# Altium PCB TempController.PcbDoc (part 2 of 2)
Units mil, origin at the board's own origin, x right, y up, seen from the top; angles counter-clockwise.
Board outline 2362.2 x 3937.01 mil, 2 copper layers (Top Layer, Bottom Layer); 155 components, 148 nets, 497 pads, 293 vias.
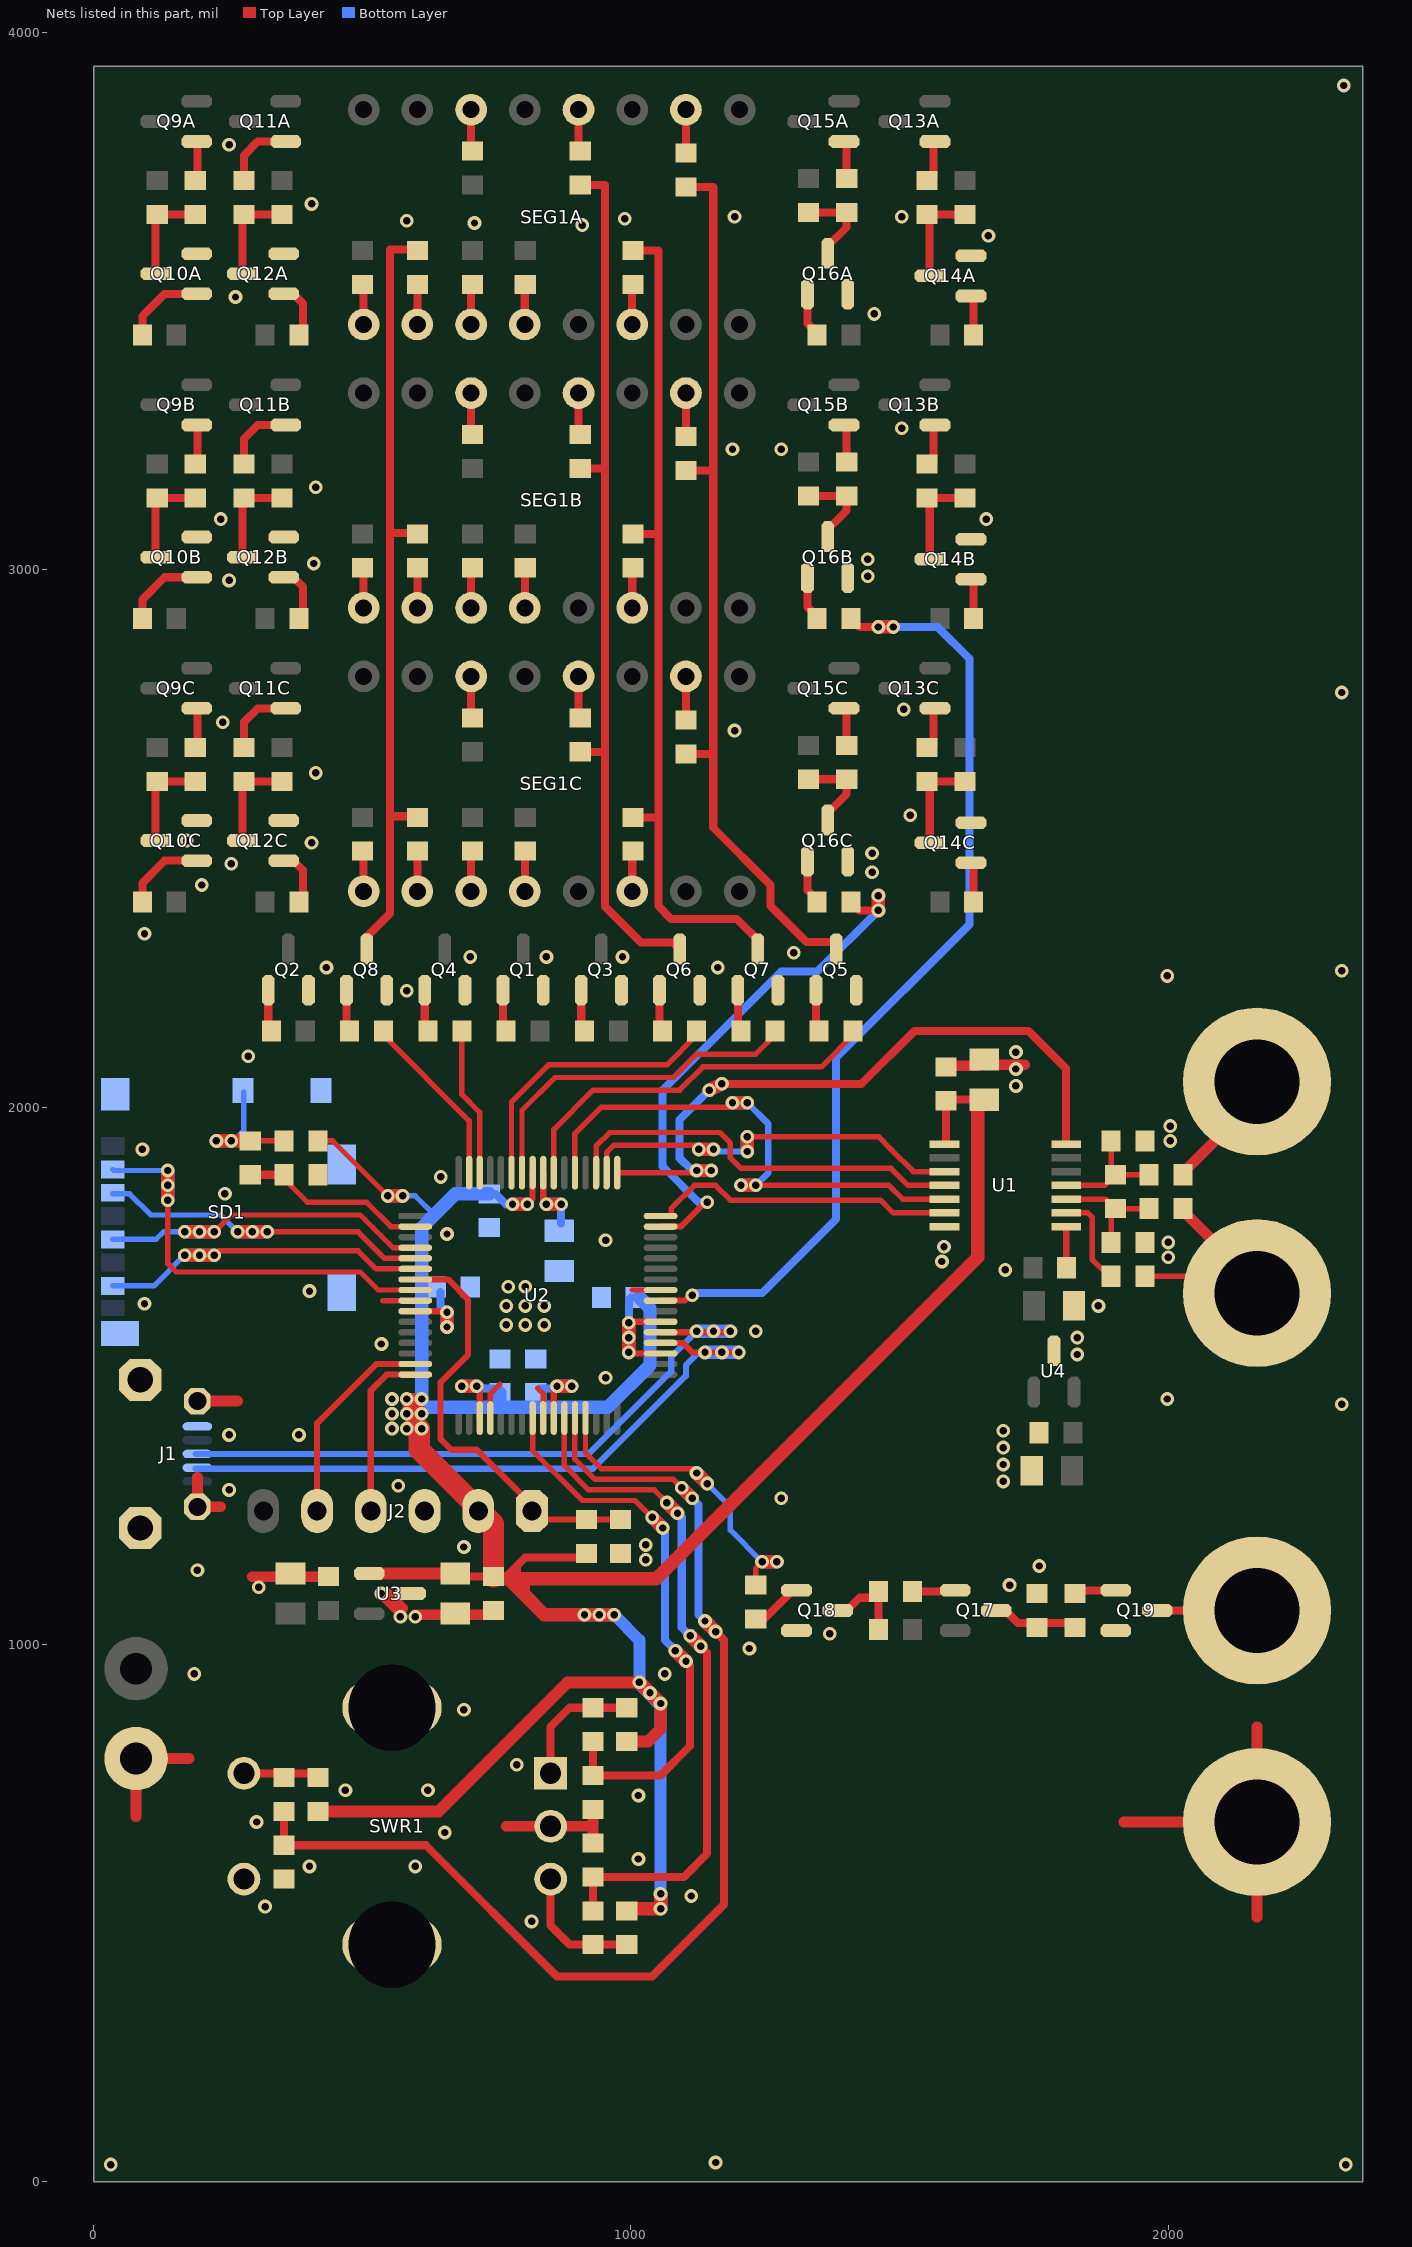
[diagram p2: the nets of this part, all layers, seen from the top]

## Via types
v1: diameter 25.59, hole 13.78, Top Layer to Bottom Layer, tented both sides, 290 vias
v2: diameter 133.86, hole 133.86, Top Layer to Bottom Layer, tented both sides, 3 vias

## Nets (pads, with @x,y where several pads share a name; then routed paths per layer and width w, separated by ;. In a path a pad name is that pad's centre, name@x,y a point inside that pad or via, vN(x,y) a via of type N, cw(c..) or ccw(c..) an arc to the next point about the centre after c; other vN are vias at no path point) (continued)
D4B: R38B.2 U2.40 | length 1809
  Top Layer w11.5: U2.40@1055.12,1639.76 1100.39,1639.76 1110.24,1649.61 v1(1114.17,1649.61)
  Top Layer w15: R38B.2@1413.39,2905.51 1425.2,2893.7 v1(1460.63,2893.7)
  Top Layer w25: v1(1460.63,2893.7) v1(1488.19,2893.7)
  Bottom Layer w15: v1(1114.17,1649.61) 1118.11,1653.54 1244.09,1653.54 1381.89,1791.34 1381.89,2091.79 1629.92,2339.82 1629.92,2834.65 1570.87,2893.7 v1(1488.19,2893.7) v1(1460.63,2893.7)
D4C: R38C.2 U2.47 | length 1004.9
  Top Layer w11.5: U2.47@1055.12,1777.56 1092.52,1777.56 1137.8,1822.83 v1(1141.73,1822.83)
  Top Layer w15: R38C.2@1413.39,2377.95 1425.2,2366.14 v1(1460.63,2366.14)
  Top Layer w25: v1(1460.63,2366.14) v1(1460.63,2393.7)
  Bottom Layer w15: v1(1141.73,1822.83) 1125.98,1822.83 1059.06,1889.76 1059.06,2031.5 1279.53,2251.97 1346.46,2251.97 v1(1460.63,2366.14) v1(1460.63,2393.7)
D_BUF: R6.2 U2.62 | length 277.6
  Top Layer w10: R6.2@685.04,2141.73 685.04,2023.62 718.5,1990.16 U2.62@718.5,1877.95
DP: Q5.3 R27A.2 R27B.2 R27C.2 | length 1688.8
  Top Layer w15: R27A.2@1102.28,3712.54 1153.07,3712.54 1153.15,3712.46 1153.15,3185.04 ; R27C.2@1102.36,2657.48 1153.15,2657.48 ; R27B.2@1102.36,3185.04 1153.15,3185.04 ; Q5.3@1385.83,2307.09 1326.77,2307.09 1259.84,2374.02 1259.84,2413.39 1153.15,2520.08 1153.15,2657.48 ; 1153.15,2657.48 1153.15,3185.04
DP_BUF: R7.2 U2.55 | length 715.9
  Top Layer w10: U2.55@856.3,1877.95 856.3,1958.66 929.13,2031.5 1090.55,2031.5 1133.86,2074.8 1354.33,2074.8 R7.2@1417.32,2137.8
E: Q6.3 R26A.2 R26B.2 R26C.2 | length 1653.4
  Top Layer w15: R26C.2@905.51,2661.42 906,2660.93 951.77,2660.93 ; R26B.2@905.51,3188.98 906,3188.49 951.77,3188.49 ; R26A.2@905.51,3716.54 906.06,3715.99 951.69,3715.99 951.77,3715.91 951.77,3188.49 ; Q6.3@1090.55,2294.29 1078.25,2306.6 1018.7,2306.6 951.77,2373.53 951.77,2660.93 ; 951.77,2660.93 951.77,3188.49
E_BUF: R8.2 U2.59 | length 535.6
  Top Layer w10: U2.59@777.56,1877.95 777.56,2009.84 846.46,2078.74 1066.93,2078.74 1122.05,2133.86 R8.2@1122.05,2141.73
ENC_A: C13.2 R15.1 U2.24 | length 1104.1
  Top Layer w10: U2.24@816.93,1421.26 816.93,1360.24 909.45,1267.72 1007.87,1267.72 v1(1039.37,1236.22)
  Top Layer w15: C13.2@929.13,755.91 1055.12,755.91 1110.24,811.02 1110.24,960.63 v1(1102.36,968.5) ; C13.2@929.13,763.78 R15.1@929.13,818.9
  Top Layer w25: v1(1039.37,1236.22) v1(1059.06,1216.54) ; v1(1082.68,988.19) v1(1102.36,968.5)
  Bottom Layer w15: v1(1059.06,1216.54) 1062.99,1212.6 1062.99,1007.87 v1(1082.68,988.19)
  Bottom Layer w25: v1(1039.37,1236.22) v1(1059.06,1216.54) ; v1(1082.68,988.19) v1(1102.36,968.5)
ENC_B: C15.1 R17.1 U2.27 | length 1337.9
  Top Layer w10: U2.27@875.98,1421.26 875.98,1332.68 921.26,1287.4 1043.31,1287.4 v1(1066.93,1263.78)
  Top Layer w15: R17.1@929.13,503.94 C15.1@929.13,562.99 ; C15.1@929.13,566.93 1098.43,566.93 1141.73,610.24 1141.73,984.25 v1(1129.92,996.06)
  Top Layer w25: v1(1066.93,1263.78) v1(1086.61,1244.09) ; v1(1110.24,1015.75) v1(1129.92,996.06)
  Bottom Layer w15: v1(1086.61,1244.09) 1094.49,1236.22 1094.49,1031.5 v1(1110.24,1015.75)
  Bottom Layer w25: v1(1066.93,1263.78) v1(1086.61,1244.09) ; v1(1110.24,1015.75) v1(1129.92,996.06)
ENC_BTN: C14.2 R16.2 U2.28 | length 2196
  Top Layer w10: U2.28@895.67,1421.26 895.67,1344.49 933.07,1307.09 1078.74,1307.09 v1(1094.49,1291.34)
  Top Layer w15: R16.2@354.33,685.04 C14.2@354.33,625.98 618.11,625.98 862.2,381.89 1039.37,381.89 1173.23,515.75 1173.23,1007.87 v1(1157.48,1023.62)
  Top Layer w25: v1(1094.49,1291.34) v1(1114.17,1271.65) ; v1(1137.8,1043.31) v1(1157.48,1023.62)
  Bottom Layer w15: v1(1114.17,1271.65) 1125.98,1259.84 1125.98,1055.12 v1(1137.8,1043.31)
  Bottom Layer w25: v1(1094.49,1291.34) v1(1114.17,1271.65) ; v1(1137.8,1043.31) v1(1157.48,1023.62)
F: Q7.3 R28A.2 R28B.2 R28C.2 | length 1578.8
  Top Layer w15: R28A.2@1003.85,3594.43 1051.1,3594.43 1051.1,3066.93 ; R28C.2@1003.94,2539.37 1051.1,2539.37 ; R28B.2@1003.94,3066.93 1051.1,3066.93 ; Q7.3@1240.16,2307.09 1196.85,2350.39 1074.8,2350.39 1051.1,2374.1 1051.1,2539.37 ; 1051.1,2539.37 1051.18,2539.37 1051.1,2539.45 1051.1,3066.93
F_BUF: R9.2 U2.58 | length 650.1
  Top Layer w10: U2.58@797.24,1877.95 797.24,1994.09 858.27,2055.12 1078.74,2055.12 1122.05,2098.43 1232.28,2098.43 R9.2@1271.65,2137.8
FAULT: U1.13 U2.48 | length 580.3
  Top Layer w10: U2.48@1055.12,1797.24 1072.83,1797.24 1074.8,1799.21 1074.8,1811.02 1118.11,1854.33 1157.48,1854.33 1185.04,1826.77 1464.57,1826.77 1488.19,1803.15 U1.13@1583.66,1803.15
G: Q8.3 R32A.2 R32B.2 R32C.2 | length 1476
  Top Layer w15: Q8.3@507.87,2294.29 507.87,2316.88 551.18,2360.19 551.18,2541.37 ; 551.26,3068.93 600.36,3068.93 R32B.2@602.36,3066.93 ; R32C.2@602.36,2539.37 600.36,2541.37 551.18,2541.37 ; R32A.2@602.36,3594.49 600.41,3596.44 551.18,3596.44 551.18,3068.93 551.18,2541.37
G_BUF: R10.2 U2.63 | length 329.8
  Top Layer w10: R10.2@539.37,2141.73 539.37,2133.86 698.82,1974.41 U2.63@698.82,1877.95
GND: C1.2 C3.1 C4.1 C5.1 C6.1 C7.2 C8.2 C9.2 C10.2 C11.2 C12.1 C13.1 C14.1 C15.2 C16.1 C17.1 C18.1 C19.1 C20.1 C21.1 C22.1 C23.1 C24.1 J1.5 J1.Shield J2.3 pad.3@2165.35,669.29 pad.5 Q1.2 Q2.2 Q3.2 Q4.2 Q5.2 Q6.2 Q7.2 Q8.2 Q10A.2 Q10B.2 Q10C.2 Q12A.2 Q12B.2 Q12C.2 Q14A.2 Q14B.2 Q14C.2 Q16A.2 Q16B.2 Q16C.2 Q18.2 Q19.2 R44.2 SD1.10 SD1.11 SD1.12 SD1.13 SD1.14 SWR1.2 SWR1.3 SWR1.4 SWR1.C U1.1 U1.14 U2.9 U2.20 U2.25 U2.41 U3.3 U4.3 | length 2062.4
  Top Layer w10: 537.4,1639.76 U2.9@598.43,1639.76 ; U2.20@738.19,1421.26 738.19,1466.54 755.91,1484.25 ; 826.77,1476.38 836.61,1466.54 U2.25@836.61,1421.26 ; 1001.97,1659.45 U2.41@1055.12,1659.45
  Top Layer w12: C23.1@1810.04,1705.71 U1.1@1810.04,1777.56
  Top Layer w20: 78.74,679.13 pad.5@78.74,787.4 177.17,787.4 ; 192.91,1311.02 J1.Shield@192.91,1255.91 236.22,1255.91 ; J1.Shield@192.91,1452.76 267.72,1452.76 ; 295.28,1125.98 C17.1@437.01,1125.98 ; v1@566.93,1062.99 v1(535.43,1094.49) 547.24,1094.49 574.8,1066.93 ; v1@598.43,1055.12 736.22,1055.12 C19.1@744.09,1062.99 ; 767.72,661.42 929.13,661.42 ; C15.2@929.13,629.92 929.13,661.42 ; C13.1@929.13,692.91 929.13,661.42 ; C3.1@1584.65,2076.77 C3.1@1586.61,2074.8 1588.58,2076.77 1645.67,2076.77 C4.1@1657.48,2088.58 ; C4.1@1657.48,2078.74 1716.54,2078.74 1732.28,2078.74 ; 1917.32,669.29 pad.3@2165.35,669.29 ; 2165.35,492.13 pad.3@2165.35,669.29 ; 2165.35,846.46 pad.3@2165.35,669.29
  other v1: 31.5,31.5 2330.71,31.5 1157.48,35.43 814.96,484.25 318.9,511.81 1112.2,531.5 401.57,586.61 598.43,586.61 1013.78,600.39 653.54,649.61 303.15,669.29 1013.78,718.5 468.5,728.35 622.05,728.35 787.4,775.59 688.98,877.95 187.01,944.88 1062.99,944.88 1220.47,992.13 1370.08,1019.68 570.87,1051.18 598.43,1051.18 307.09,1106.3 1704.72,1110.24 192.91,1137.8 1759.84,1145.67 1027.56,1157.48 688.98,1181.1 1027.56,1185.04 1279.53,1271.65 251.97,1287.4 566.93,1295.28 1692.91,1303.15 1692.91,1334.65 1692.91,1366.14 251.97,1389.76 381.89,1389.76 1692.91,1397.64 2322.83,1446.85 1998.03,1456.69 952.76,1496.06 1830.71,1539.37 535.43,1559.06 1830.71,1570.87 1232.28,1582.68 767.72,1594.49 803.15,1594.49 838.58,1594.49 767.72,1629.92 803.15,1629.92 838.58,1629.92 1870.08,1629.92 94.49,1633.86 401.57,1657.48 771.65,1665.35 803.15,1665.35 1696.85,1696.85 1578.74,1712.6 2000,1720.47 1582.68,1740.16 2000,1748.03 952.76,1751.97 657.48,1763.78 244.09,1838.58 645.67,1870.08 90.55,1921.26 2003.94,1937.01 2003.94,1964.57 1716.54,2039.37 1716.54,2070.87 287.4,2094.49 1716.54,2102.36 582.68,2216.54 1998.03,2244.09 2322.83,2253.94 433.07,2259.84 1161.42,2259.84 700.79,2279.53 842.52,2279.53 984.25,2279.53 1303.15,2287.4 94.49,2322.83 200.79,2413.39 1448.82,2437.01 255.91,2452.76 1448.82,2472.44 405.51,2492.13 173.23,2496.06 1519.68,2543.31 413.39,2622.05 1192.91,2700.79 240.16,2716.54 1507.87,2740.16 2322.83,2771.65 251.97,2980.31 1440.94,2988.19 409.45,3011.81 1440.94,3019.68 236.22,3094.49 1661.42,3094.49 413.39,3153.54 1188.98,3224.41 1279.53,3224.41 1503.94,3263.78 1452.76,3476.38 263.78,3507.87 1665.35,3622.05 909.45,3641.73 708.66,3645.67 582.68,3649.61 988.19,3653.54 1192.91,3657.48 1503.94,3657.48 405.51,3681.1 251.97,3791.34 2326.77,3901.57
ICLK: J2.5 U2.15 | length 392
  Top Layer w11.5: J2.5@415.75,1248.03 415.75,1411.81 525.59,1521.65 U2.15@598.43,1521.65
IDAT: J2.4 U2.16 | length 319.3
  Top Layer w11.5: J2.4@515.75,1248.03 515.75,1472.44 545.28,1501.97 U2.16@598.43,1501.97
NetC1_1: C1.1 C2.2 R1.2 U1.3 | length 213
  Top Layer w10: U1.3@1810.04,1828.74 1883.86,1828.74 C2.2@1901.57,1811.02 R1.2@1960.63,1811.02 ; C1.1@1893.7,1748.03 C2.2@1893.7,1803.15
NetC2_1: C2.1 C5.2 R3.2 U1.4 | length 209.9
  Top Layer w10: U1.4@1810.04,1854.33 1881.89,1854.33 C2.1@1901.57,1874.02 R3.2@1956.69,1874.02 ; C2.1@1893.7,1881.89 C5.2@1893.7,1937.01
NetC6_2: C6.2 U2.56 | length 143.7
  Top Layer w11.5: v1@836.61,1824.8 U2.56@836.61,1877.95 ; v1@866.14,1818.9 v1(870.08,1818.9)
  Top Layer w25: v1(842.52,1818.9) v1@866.14,1818.9
  Bottom Layer w15: v1@866.14,1818.9 v1(870.08,1818.9) C6.2@870.08,1783.46
  Bottom Layer w25: v1(842.52,1818.9) v1@866.14,1818.9
NetJ1_2: J1.2 U2.36 | length 1262
  Top Layer w11.5: U2.36@1055.12,1561.02 1096.46,1561.02 1114.17,1543.31 v1(1137.8,1543.31) v1(1169.29,1543.31) v1@1196.85,1543.31
  Bottom Layer w11.5: J1.2@189.11,1326.77 929.13,1326.77 1102.36,1500 1102.36,1519.68 1125.98,1543.31 v1(1137.8,1543.31)
  Bottom Layer w25: v1(1137.8,1543.31) v1(1169.29,1543.31) v1(1200.79,1543.31)
NetJ1_3: J1.3 U2.37 | length 1229.8
  Top Layer w11.5: U2.37@1055.12,1580.71 v1@1179.13,1580.71
  Bottom Layer w11.5: J1.3@189.97,1354.33 921.26,1354.33 1074.8,1507.87 1074.8,1535.43 v1(1122.05,1582.68)
  Bottom Layer w25: v1(1122.05,1582.68) v1(1153.54,1582.68) v1(1185.04,1582.68)
NetQ1_1: Q1.1 R2.1 | length 65.9
  Top Layer w15: R2.1@761.81,2151.57 Q1.1@761.81,2217.52
NetQ2_1: Q2.1 R4.1 | length 65.9
  Top Layer w15: R4.1@324.8,2151.57 Q2.1@324.8,2217.52
NetQ3_1: Q3.1 R5.1 | length 73.8
  Top Layer w15: R5.1@907.48,2143.7 Q3.1@907.48,2217.52
NetQ4_1: Q4.1 R6.1 | length 69.9
  Top Layer w15: R6.1@616.14,2147.64 Q4.1@616.14,2217.52
NetQ5_1: Q5.1 R7.1 | length 69.9
  Top Layer w15: R7.1@1344.49,2147.64 Q5.1@1344.49,2217.52
NetQ6_1: Q6.1 R8.1 | length 62
  Top Layer w15: R8.1@1053.15,2155.51 Q6.1@1053.15,2217.52
NetQ7_1: Q7.1 R9.1 | length 69.9
  Top Layer w15: R9.1@1198.82,2147.64 Q7.1@1198.82,2217.52
NetQ8_1: Q8.1 R10.1 | length 69.9
  Top Layer w15: R10.1@470.47,2147.64 Q8.1@470.47,2217.52
NetQ9A_1: Q9A.1 R20A.1 | length 72.5
  Top Layer w15: R20A.1@188.89,3724.35 192.83,3728.29 Q9A.1@192.83,3795.22
NetQ9B_1: Q9B.1 R20B.1 | length 72.5
  Top Layer w15: R20B.1@188.98,3196.85 192.91,3200.79 Q9B.1@192.91,3267.72
NetQ9C_1: Q9C.1 R20C.1 | length 72.5
  Top Layer w15: R20C.1@188.98,2669.29 192.91,2673.23 Q9C.1@192.91,2740.16
NetQ10A_1: Q10A.1 R21A.1 | length 157.9
  Top Layer w15: R21A.1@90.47,3433.02 90.47,3436.95 90.47,3472.39 131.81,3513.72 Q10A.1@191.85,3513.72
NetQ10A_3: Q10A.3 R19A.2 R20A.2 | length 174.2
  Top Layer w15: Q10A.3@115.07,3551.13 R19A.2@115.07,3654.47 ; R19A.2@118.03,3661.36 R20A.2@188.89,3661.36
NetQ10B_1: Q10B.1 R21B.1 | length 157.9
  Top Layer w15: R21B.1@90.55,2905.51 R21B.1@90.55,2909.45 90.55,2944.88 131.89,2986.22 Q10B.1@191.93,2986.22
NetQ10B_3: Q10B.3 R19B.2 R20B.2 | length 174.2
  Top Layer w15: Q10B.3@115.16,3023.62 R19B.2@115.16,3126.97 ; R19B.2@118.11,3133.86 R20B.2@188.98,3133.86
NetQ10C_1: Q10C.1 R21C.1 | length 157.9
  Top Layer w15: R21C.1@90.55,2377.95 R21C.1@90.55,2381.89 90.55,2417.32 131.89,2458.66 Q10C.1@191.93,2458.66
NetQ10C_3: Q10C.3 R19C.2 R20C.2 | length 174.2
  Top Layer w15: Q10C.3@115.16,2496.06 R19C.2@115.16,2599.41 ; R19C.2@118.11,2606.3 R20C.2@188.98,2606.3
NetQ11A_1: Q11A.1 R23A.1 | length 127.7
  Top Layer w15: R23A.1@279.45,3732.23 279.45,3771.6 305.04,3797.19 Q11A.1@357.2,3797.19
NetQ11B_1: Q11B.1 R23B.1 | length 127.7
  Top Layer w15: R23B.1@279.53,3204.72 279.53,3244.09 305.12,3269.68 Q11B.1@357.28,3269.68
NetQ11C_1: Q11C.1 R23C.1 | length 127.7
  Top Layer w15: R23C.1@279.53,2677.17 279.53,2716.54 305.12,2742.13 Q11C.1@357.28,2742.13
NetQ12A_1: Q12A.1 R24A.1 | length 102.8
  Top Layer w15: Q12A.1@353.26,3513.72 371.96,3513.72 389.68,3496.01 R24A.1@389.68,3436.95
NetQ12A_3: Q12A.3 R22A.2 R23A.2 | length 190
  Top Layer w15: Q12A.3@276.49,3551.13 R23A.2@276.49,3662.35 ; R23A.2@279.45,3661.36 350.31,3661.36 R22A.2@358.19,3661.36
NetQ12B_1: Q12B.1 R24B.1 | length 102.8
  Top Layer w15: Q12B.1@353.35,2986.22 372.05,2986.22 389.76,2968.5 R24B.1@389.76,2909.45
NetQ12B_3: Q12B.3 R22B.2 R23B.2 | length 190
  Top Layer w15: Q12B.3@276.57,3023.62 R23B.2@276.57,3134.84 ; R23B.2@279.53,3133.86 R22B.2@350.39,3133.86 R22B.2@358.27,3133.86
NetQ12C_1: Q12C.1 R24C.1 | length 102.8
  Top Layer w15: Q12C.1@353.35,2458.66 372.05,2458.66 389.76,2440.94 R24C.1@389.76,2381.89
NetQ12C_3: Q12C.3 R22C.2 R23C.2 | length 190
  Top Layer w15: Q12C.3@276.57,2496.06 R23C.2@276.57,2607.28 ; R23C.2@279.53,2606.3 R22C.2@350.39,2606.3 R22C.2@358.27,2606.3
NetQ13A_1: Q13A.1 R33A.1 | length 70.1
  Top Layer w15: R33A.1@1562.91,3728.29 1562.91,3794.24 Q13A.1@1565.94,3797.24
NetQ13B_1: Q13B.1 R33B.1 | length 70.1
  Top Layer w15: R33B.1@1562.99,3200.79 1562.99,3266.73 Q13B.1@1565.94,3269.68
NetQ13C_1: Q13C.1 R33C.1 | length 70.1
  Top Layer w15: R33C.1@1562.99,2673.23 1562.99,2739.17 Q13C.1@1565.94,2742.13
NetQ14A_1: Q14A.1 R35A.1 | length 67.9
  Top Layer w15: R35A.1@1637.71,3436.95 Q14A.1@1637.71,3504.87
NetQ14A_3: Q14A.3 R29A.2 R33A.2 | length 180.1
  Top Layer w15: R33A.2@1551.1,3661.36 R29A.2@1621.96,3661.36 ; Q14A.3@1556.02,3547.19 R33A.2@1556.02,3656.44
NetQ14B_1: Q14B.1 R35B.1 | length 67.9
  Top Layer w15: R35B.1@1637.8,2909.45 Q14B.1@1637.8,2977.36
NetQ14B_3: Q14B.3 R29B.2 R33B.2 | length 180.1
  Top Layer w15: R33B.2@1551.18,3133.86 R29B.2@1622.05,3133.86 ; Q14B.3@1556.1,3019.69 R33B.2@1556.1,3128.94
NetQ14C_1: Q14C.1 R35C.1 | length 67.9
  Top Layer w15: R35C.1@1637.8,2381.89 Q14C.1@1637.8,2449.8
NetQ14C_3: Q14C.3 R29C.2 R33C.2 | length 180.1
  Top Layer w15: R33C.2@1551.18,2606.3 R29C.2@1622.05,2606.3 ; Q14C.3@1556.1,2492.13 R33C.2@1556.1,2601.38
NetQ15A_1: Q15A.1 R37A.1 | length 66.9
  Top Layer w15: R37A.1@1401.49,3728.29 Q15A.1@1401.49,3795.22
NetQ15B_1: Q15B.1 R37B.1 | length 66.9
  Top Layer w15: R37B.1@1401.57,3200.79 Q15B.1@1401.57,3267.72
NetQ15C_1: Q15C.1 R37C.1 | length 66.9
  Top Layer w15: R37C.1@1401.57,2673.23 Q15C.1@1401.57,2740.16
NetQ16A_1: Q16A.1 R38A.1 | length 73.6
  Top Layer w15: Q16A.1@1328.66,3512.74 1328.66,3458.61 R38A.1@1342.44,3444.83
NetQ16A_3: Q16A.3 R36A.2 R37A.2 | length 157.4
  Top Layer w15: R36A.2@1330.63,3665.3 R37A.2@1401.49,3665.3 ; Q16A.3@1366.06,3589.51 1366.06,3602.31 1401.49,3637.74 R37A.2@1401.49,3661.36
NetQ16B_1: Q16B.1 R38B.1 | length 73.6
  Top Layer w15: Q16B.1@1328.74,2985.24 1328.74,2931.1 R38B.1@1342.52,2917.32
NetQ16B_3: Q16B.3 R36B.2 R37B.2 | length 157.4
  Top Layer w15: R36B.2@1330.71,3137.8 R37B.2@1401.57,3137.8 ; Q16B.3@1366.14,3062.01 1366.14,3074.8 1401.57,3110.24 R37B.2@1401.57,3133.86
NetQ16C_1: Q16C.1 R38C.1 | length 73.6
  Top Layer w15: Q16C.1@1328.74,2457.68 1328.74,2403.54 R38C.1@1342.52,2389.76
NetQ16C_3: Q16C.3 R36C.2 R37C.2 | length 157.4
  Top Layer w15: R36C.2@1330.71,2610.24 R37C.2@1401.57,2610.24 ; Q16C.3@1366.14,2534.45 1366.14,2547.24 1401.57,2582.68 R37C.2@1401.57,2606.3
NetQ17_1: Q17.1 R41.2 | length 82.7
  Top Layer w15: R41.2@1523.62,1098.43 Q17.1@1606.3,1098.43
NetQ17_3: Q17.3 R42.1 R44.1 | length 156.4
  Top Layer w15: Q17.3@1680.12,1062.99 1696.85,1062.99 1720.47,1039.37 R42.1@1826.77,1039.37
NetQ18_1: Q18.1 R43.2 | length 97.8
  Top Layer w15: R43.2@1232.28,1047.24 1248.03,1047.24 1301.18,1100.39 Q18.1@1308.07,1100.39
NetQ18_3: Q18.3 R40.1 R41.1 | length 148.6
  Top Layer w15: Q18.3@1384.84,1062.99 1401.57,1062.99 1425.2,1086.61 R41.1@1456.69,1086.61 ; R40.1@1460.63,1031.5 R41.1@1460.63,1098.43
NetQ19_1: Q19.1 R42.2 | length 65.9
  Top Layer w15: R42.2@1836.61,1100.39 Q19.1@1902.56,1100.39
NetR11_2: R11.2 R12.1 SD1.9 | length 256.2
  Top Layer w10: R12.1@291.34,1937.01 R11.2@354.33,1937.01
  Top Layer w25: v1(228.35,1937.01) R12.1@291.34,1937.01
  Bottom Layer w10: v1(255.91,1937.01) 259.84,1937.01 279.53,1956.69 SD1.9@279.53,2027.56
  Bottom Layer w25: v1(228.35,1937.01) v1(255.91,1937.01)
NetR13_2: R13.2 R15.2 SWR1.A | length 239.1
  Top Layer w15: SWR1.A@850.39,763.78 850.39,846.46 885.83,881.89 R15.2@929.13,881.89 R13.2@992.13,881.89
NetR14_2: R14.2 R16.1 SWR1.1 | length 141.7
  Top Layer w15: SWR1.1@279.53,759.84 R14.2@421.26,759.84
NetR17_2: R17.2 R18.1 SWR1.B | length 243
  Top Layer w15: SWR1.B@850.39,562.99 850.39,476.38 885.83,440.94 R17.2@929.13,440.94 R18.1@992.13,440.94
NetR25A_1: R25A.1 SEG1A.3 | length 71.7
  Top Layer w15: R25A.1@702.28,3784.98 SEG1A.3@702.28,3856.64
NetR25B_1: R25B.1 SEG1B.3 | length 71.7
  Top Layer w15: R25B.1@702.36,3257.48 SEG1B.3@702.36,3329.13
NetR25C_1: R25C.1 SEG1C.3 | length 71.7
  Top Layer w15: R25C.1@702.36,2729.92 SEG1C.3@702.36,2801.57
NetR26A_1: R26A.1 SEG1A.5 | length 76.4
  Top Layer w15: R26A.1@902.28,3780.26 SEG1A.5@902.28,3856.64
NetR26B_1: R26B.1 SEG1B.5 | length 76.4
  Top Layer w15: R26B.1@902.36,3252.76 SEG1B.5@902.36,3329.13
NetR26C_1: R26C.1 SEG1C.5 | length 76.4
  Top Layer w15: R26C.1@902.36,2725.2 SEG1C.5@902.36,2801.57
NetR27A_1: R27A.1 SEG1A.7 | length 85
  Top Layer w15: R27A.1@1102.28,3771.6 SEG1A.7@1102.28,3856.64
NetR27B_1: R27B.1 SEG1B.7 | length 85
  Top Layer w15: R27B.1@1102.36,3244.09 SEG1B.7@1102.36,3329.13
NetR27C_1: R27C.1 SEG1C.7 | length 85
  Top Layer w15: R27C.1@1102.36,2716.54 SEG1C.7@1102.36,2801.57
NetR28A_1: R28A.1 SEG1A.11 | length 73.2
  Top Layer w15: SEG1A.11@1002.28,3456.64 R28A.1@1002.28,3529.87
NetR28B_1: R28B.1 SEG1B.11 | length 73.2
  Top Layer w15: SEG1B.11@1002.36,2929.13 R28B.1@1002.36,3002.36
NetR28C_1: R28C.1 SEG1C.11 | length 73.2
  Top Layer w15: SEG1C.11@1002.36,2401.57 R28C.1@1002.36,2474.8
NetR30A_1: R30A.1 SEG1A.13 | length 67.7
  Top Layer w15: SEG1A.13@802.28,3456.64 R30A.1@802.28,3524.35
NetR30B_1: R30B.1 SEG1B.13 | length 67.7
  Top Layer w15: SEG1B.13@802.36,2929.13 R30B.1@802.36,2996.85
NetR30C_1: R30C.1 SEG1C.13 | length 67.7
  Top Layer w15: SEG1C.13@802.36,2401.57 R30C.1@802.36,2469.29
NetR31A_1: R31A.1 SEG1A.14 | length 72.4
  Top Layer w15: SEG1A.14@702.28,3456.64 R31A.1@702.28,3529.08
NetR31B_1: R31B.1 SEG1B.14 | length 72.4
  Top Layer w15: SEG1B.14@702.36,2929.13 R31B.1@702.36,3001.57
NetR31C_1: R31C.1 SEG1C.14 | length 72.4
  Top Layer w15: SEG1C.14@702.36,2401.57 R31C.1@702.36,2474.02
NetR32A_1: R32A.1 SEG1A.15 | length 66.9
  Top Layer w15: SEG1A.15@602.28,3456.64 R32A.1@602.28,3523.57
NetR32B_1: R32B.1 SEG1B.15 | length 66.9
  Top Layer w15: SEG1B.15@602.36,2929.13 R32B.1@602.36,2996.06
NetR32C_1: R32C.1 SEG1C.15 | length 66.9
  Top Layer w15: SEG1C.15@602.36,2401.57 R32C.1@602.36,2468.5
NetR34A_1: R34A.1 SEG1A.16 | length 68.5
  Top Layer w15: SEG1A.16@502.28,3456.64 R34A.1@502.28,3525.14
NetR34B_1: R34B.1 SEG1B.16 | length 68.5
  Top Layer w15: SEG1B.16@502.36,2929.13 R34B.1@502.36,2997.64
NetR34C_1: R34C.1 SEG1C.16 | length 68.5
  Top Layer w15: SEG1C.16@502.36,2401.57 R34C.1@502.36,2470.08
NetR39_2: R39.2 U1.2 | length 163.6
  Top Layer w10: U1.2@1810.04,1803.15 1850.39,1803.15 1858.27,1795.28 1858.27,1716.54 R39.2@1881.89,1692.91
RST: C24.2 J2.1 R45.2 U2.7 | length 776.2
  Top Layer w11.5: U2.7@598.43,1679.13 659.45,1679.13 696.85,1641.73 696.85,1539.37 645.67,1488.19 645.67,1381.89 665.35,1362.2 712.6,1362.2 J2.1@814.96,1259.84 ; J2.1@818.9,1232.28 R45.2@917.32,1232.28 C24.2@980.32,1232.28
SCK: U1.10 U2.50 | length 788.8
  Top Layer w10: U2.50@954.72,1877.95 954.72,1915.35 968.5,1929.13 1125.98,1929.13 v1@1129.92,1925.2 ; v1(1216.54,1944.88) 1460.63,1944.88 1484.25,1921.26 1525.59,1879.92 U1.10@1583.66,1879.92
  Top Layer w25: v1(1125.98,1921.26) v1(1153.54,1921.26) ; v1(1216.54,1917.32) v1(1216.54,1944.88)
  Bottom Layer w12: v1(1125.98,1921.26) v1(1153.54,1921.26) 1157.48,1917.32 v1(1216.54,1917.32)
  Bottom Layer w25: v1(1216.54,1917.32) v1(1216.54,1944.88)
SD_CS: SD1.2 U2.8 | length 812.5
  Top Layer w10: v1(137.8,1826.77) 137.8,1708.66 153.54,1692.91 496.06,1692.91 529.53,1659.45 U2.8@598.43,1659.45
  Top Layer w25: v1(137.8,1826.77) v1(137.8,1854.33) v1(137.8,1881.89)
  Bottom Layer w10: SD1.2@35.43,1883.86 37.4,1881.89 v1(137.8,1881.89)
  Bottom Layer w25: v1(137.8,1826.77) v1(137.8,1854.33) v1(137.8,1881.89)
SD_EN: C12.2 R12.2 U2.2 | length 354
  Top Layer w10: C12.2@358.27,1874.02 358.27,1862.2 397.64,1822.83 507.87,1822.83 553.15,1777.56 U2.2@598.43,1777.56
  Top Layer w15: R12.2@291.34,1874.02 C12.2@354.33,1874.02 C12.2@358.27,1874.02
SD_SCK: SD1.5 U2.4 | length 658.2
  Top Layer w10: v1(224.41,1767.72) 255.91,1799.21 496.06,1799.21 557.09,1738.19 U2.4@598.43,1738.19
  Top Layer w25: v1(169.29,1767.72) v1(196.85,1767.72) v1(224.41,1767.72)
  Bottom Layer w10: SD1.5@35.43,1753.94 116.14,1753.94 129.92,1767.72 v1(169.29,1767.72)
  Bottom Layer w25: v1(169.29,1767.72) v1(196.85,1767.72) v1@220.47,1767.72
SD_SDI: SD1.7 U2.6 | length 654.9
  Top Layer w10: v1(224.41,1724.41) 232.28,1732.28 492.13,1732.28 525.59,1698.82 U2.6@598.43,1698.82
  Top Layer w25: v1(169.29,1724.41) v1(196.85,1724.41) v1(224.41,1724.41)
  Bottom Layer w10: SD1.7@35.43,1667.32 112.2,1667.32 v1(169.29,1724.41)
  Bottom Layer w25: v1(169.29,1724.41) v1(196.85,1724.41) v1@220.47,1724.41
SD_SDO: SD1.3 U2.5 | length 667.8
  Top Layer w10: v1(322.83,1767.72) 492.13,1767.72 541.34,1718.5 U2.5@598.43,1718.5
  Top Layer w25: v1(267.72,1767.72) v1(295.28,1767.72) v1(322.83,1767.72)
  Bottom Layer w10: SD1.3@35.43,1838.58 66.93,1838.58 106.3,1799.21 236.22,1799.21 v1(267.72,1767.72)
  Bottom Layer w25: v1(267.72,1767.72) v1(295.28,1767.72) v1(322.83,1767.72)
SDI: U1.12 U2.53 | length 1040
  Top Layer w10: U2.53@895.67,1877.95 895.67,1950.79 944.88,2000 1188.98,2000 v1@1188.98,2002.27 ; v1(1232.28,1854.33) 1480.32,1854.33 1505.91,1828.74 U1.12@1583.66,1828.74
  Top Layer w25: v1(1188.98,2007.87) v1(1216.54,2007.87) ; v1@1205.37,1854.33 v1(1232.28,1854.33)
  Bottom Layer w12: v1(1216.54,2007.87) 1255.91,1968.5 1255.91,1877.95 v1(1232.28,1854.33)
  Bottom Layer w25: v1(1188.98,2007.87) v1(1216.54,2007.87) ; v1(1204.72,1854.33) v1(1232.28,1854.33)
SDO: U1.11 U2.51 | length 765.3
  Top Layer w10: U2.51@935.04,1877.95 935.04,1927.17 960.63,1952.76 1165.35,1952.76 1185.04,1933.07 1185.04,1905.51 1204.72,1885.83 1484.25,1885.83 1515.75,1854.33 U1.11@1583.66,1854.33
SWEN: R43.1 U2.29 | length 634.2
  Top Layer w10: U2.29@915.35,1421.26 915.35,1356.3 944.88,1326.77 1114.17,1326.77 v1(1122.05,1318.9) ; R43.1@1232.28,1110.24 1232.28,1141.73 v1(1244.09,1153.54)
  Top Layer w25: v1(1122.05,1318.9) v1(1141.73,1299.21) ; v1(1244.09,1153.54) v1(1271.65,1153.54)
  Bottom Layer w10: v1(1141.73,1299.21) 1185.04,1255.91 1185.04,1212.6 v1(1244.09,1153.54)
  Bottom Layer w25: v1(1122.05,1318.9) v1(1141.73,1299.21) ; v1(1244.09,1153.54) v1(1271.65,1153.54)
SWO: pad.3@2165.35,1062.99 Q19.3 | length 200.8
  Top Layer w15: Q19.3@1964.57,1062.99 Q19.3@1979.33,1062.99 pad.3@2165.35,1062.99
T+: pad.2 R3.1 | length 230.3
  Top Layer w20: R3.1@2027.56,1874.02 2027.56,1877.95 2165.35,2015.75 pad.2@2165.35,2047.24
T-: pad.3@2165.35,1653.54 R1.1 R39.1 | length 328.7
  Top Layer w10: R39.1@1956.69,1685.04 pad.3@2070.87,1685.04
  Top Layer w20: R1.1@2027.56,1811.02 2027.56,1807.09 2165.35,1669.29 pad.3@2165.35,1653.54
TRST: U1.7 U2.49 | length 1296.9
  Top Layer w10: U2.49@974.41,1877.95 v1@1122.05,1877.95
  Top Layer w15: v1(1169.29,2043.31) 1429.13,2043.31 1527.56,2141.73 1740.16,2141.73 1810.04,2071.85 U1.7@1810.04,1931.1
  Top Layer w25: v1(1122.05,1881.89) v1(1149.61,1881.89) ; v1(1145.67,2031.5) v1(1169.29,2043.31)
  Bottom Layer w15: v1(1122.05,1881.89) 1114.17,1881.89 1090.55,1905.51 1090.55,1976.38 v1(1145.67,2031.5)
  Bottom Layer w25: v1(1122.05,1881.89) v1(1149.61,1881.89) ; v1(1145.67,2031.5) v1(1169.29,2043.31)
Vpp: C3.2 C4.2 C7.1 C8.1 C9.1 C10.1 C11.1 C18.2 C19.2 J2.2 R11.1 R13.1 R14.1 R18.2 R45.1 U1.8 U2.10 U2.19 U2.26 U2.35 U2.38 U2.57 U3.1 | length 6462
  Top Layer w10: R11.1@413.39,1937.01 R11.1@417.32,1937.01 444.88,1937.01 v1(547.24,1834.65)
  Top Layer w11.5: U2.10@598.43,1620.08 v1@651.57,1620.08 ; U2.19@718.5,1421.26 v1@718.5,1474.41 ; v1(807.09,1818.9) 816.93,1828.74 U2.57@816.93,1877.95 ; U2.26@856.3,1421.26 v1@856.3,1474.41 ; v1@998.03,1600.39 U2.38@1055.12,1600.39 ; v1@1001.97,1541.34 U2.35@1055.12,1541.34
  Top Layer w15: C18.2@673.23,1125.98 C19.2@744.09,1125.98 ; 767.72,1125.98 787.4,1145.67 ; 787.4,1122.05 787.4,1145.67 ; R45.1@925.2,1161.42 R45.1@917.32,1169.29 909.45,1161.42 803.15,1161.42 787.4,1145.67 ; U1.8@1586.61,1937.01 C3.2@1586.61,2011.81 1588.58,2013.78 C4.2@1657.48,2013.78
  Top Layer w22: R14.1@417.32,688.98 641.73,688.98 881.89,929.13 v1(1015.75,929.13) ; U3.1@512.8,1131.89 C18.2@667.32,1131.89 ; R13.1@1000,818.9 1031.5,818.9 1055.12,842.52 v1(1055.12,889.76)
  Top Layer w25: v1(547.24,1834.65) v1(574.8,1834.65) ; v1(657.48,1590.55) v1@657.48,1614.17 ; v1(685.04,1480.31) v1(712.6,1480.31) ; C19.2@744.09,1125.98 748.03,1122.05 787.4,1122.05 1047.24,1122.05 1645.67,1720.47 1645.67,2001.97 C4.2@1657.48,2013.78 ; 775.59,1118.11 799.21,1094.49 ; v1(779.53,1818.9) v1(807.09,1818.9) ; 799.21,1114.17 799.21,1094.49 ; v1(862.2,1480.31) v1@885.83,1480.31 ; v1(968.5,1055.12) v1(940.94,1055.12) v1(913.39,1055.12) 838.58,1055.12 799.21,1094.49 ; R18.2@996.06,507.87 v1(1055.12,507.87) v1(1055.12,535.43) ; v1(996.06,1543.31) v1(996.06,1570.87) v1@996.06,1594.49 ; v1(1015.75,929.13) v1(1035.43,909.45) v1(1055.12,889.76)
  Top Layer w40: v1@594.49,1429.13 594.49,1448.11 ; v1@606.3,1401.57 606.3,1362.2 744.09,1224.41 C19.2@744.09,1125.98
  Bottom Layer w10: v1(574.8,1834.65) 598.43,1834.65 633.86,1799.21
  Bottom Layer w11.5: v1@858.27,1480.31 v1(862.2,1480.31)
  Bottom Layer w15: C11.1@645.67,1655.8 645.67,1629.92 v1(657.48,1618.11) ; v1(712.6,1480.31) 720.47,1480.31 724.41,1476.38 748.03,1476.38 C8.1@755.91,1468.5 ; C9.1@748.03,1838.58 767.72,1818.9 v1(779.53,1818.9) ; C7.1@830.71,1476.38 858.27,1476.38 v1(862.2,1480.31) ; v1(996.06,1598.43) 996.06,1641.73 C10.1@1000,1645.67
  Bottom Layer w22: v1@970.46,1053.16 1015.75,1007.87 v1(1015.75,929.13) 1015.75,925.2 1031.5,909.45 v1(1035.43,909.45) 1035.43,905.51 1051.18,889.76 v1(1055.12,889.76) v1(1055.12,535.43)
  Bottom Layer w25: v1(547.24,1834.65) v1(574.8,1834.65) ; v1(610.24,1456.69) 610.24,1775.59 633.86,1799.21 673.23,1838.58 C9.1@736.22,1838.58 ; 618.11,1440.94 755.91,1440.94 ; v1(657.48,1590.55) v1(657.48,1618.11) ; v1(685.04,1480.31) v1(712.6,1480.31) ; C8.1@755.91,1468.5 755.91,1440.94 ; v1(779.53,1818.9) v1(807.09,1818.9) ; v1(862.2,1480.31) v1(889.76,1480.31) ; v1(913.39,1055.12) v1(940.94,1055.12) v1(968.5,1055.12) ; v1(996.06,1543.31) v1(996.06,1570.87) v1(996.06,1598.43) ; C10.1@1015.75,1645.67 1035.43,1625.98 1035.43,1519.68 956.69,1440.94 755.91,1440.94 ; v1(1055.12,507.87) v1(1055.12,535.43)
  other v1: 555.12,1401.57 582.68,1401.57 610.24,1401.57 555.12,1429.13 582.68,1429.13 610.24,1429.13 555.12,1456.69 582.68,1456.69
pads on no net: J1.4 J2.6 SD1.1 SD1.4 SD1.6 SD1.8 SEG1A.4 SEG1A.9 SEG1A.10 SEG1A.12 SEG1B.4 SEG1B.9 SEG1B.10 SEG1B.12 SEG1C.4 SEG1C.9 SEG1C.10 SEG1C.12 U1.6 U2.1 U2.3 U2.11 U2.12 U2.13 U2.14 U2.17 U2.18 U2.21 U2.22 U2.23 U2.54
copper on no net:
  other v2: 196.85,196.85 2165.35,196.85 2165.35,3740.16

## Polygon pours and split planes (outlines as drawn)
GND on Top Layer "NONET_L01_P-001" (solid, remove dead copper, pour order 4): 2362.2,3937.01 2362.2,0 0,0 0,3937.01
5V on Top Layer "NONET_L01_P-001" (solid, pour order 3): 0,1602.36 0,885.83 161.42,885.83 161.42,1602.36
Vpp on Top Layer "NONET_L01_P-001" (solid, pour order 0): 625.98,1385.83 539.37,1385.83 539.37,1472.44 625.98,1472.44
GND on Bottom Layer "NONET_L01_P-001" (solid, remove dead copper, pour order 5): 2362.2,3937.01 2362.2,0 0,0 0,3937.01
5V on Bottom Layer "NONET_L01_P-001" (solid, pour order 2): 173.23,1311.02 161.42,1311.02 141.73,1330.71 141.73,1409.45 133.86,1417.32 62.99,1417.32 55.12,1409.45 55.12,1311.02 70.87,1295.28 173.23,1295.28
Vpp on Bottom Layer "NONET_L01_P-001" (solid, pour order 1): 625.98,1385.83 539.37,1385.83 539.37,1472.44 625.98,1472.44

## Keep-outs
Keep-Out Layer:
  the board outline again, w9.84

## Other copper
Top Layer:
  pour cut-out: 1564.96,2037.4 1564.96,2125.98 1555.12,2135.83
  pour cut-out: 620.08,639.76 620.08,669.29 610.24,679.13
  pour cut-out: 2017.72,1476.38 2017.72,2224.41 2362.2,2224.41 2362.2,1476.38
  pour cut-out: 728.35,1387.8 738.19,1387.8 748.03,1377.95
  pour cut-out: 954.72,1190.94 944.88,1200.79 944.88,1210.63
  pour cut-out: 954.72,1190.94
  pour cut-out: 767.72,1023.62 767.72,1082.68 777.56,1092.52
  pour cut-out: -9.84,797.24 167.32,797.24 167.32,944.88 -9.84,944.88
Bottom Layer:
  pour cut-out: 2017.72,1476.38 2017.72,2224.41 2362.2,2224.41 2362.2,1476.38
  pour cut-out: 704.72,2224.41 1251.97,2224.41 1267.72,2208.66
  pour cut-out: 681.1,2248.03
  pour cut-out: 933.07,1314.96 1019.68,1228.35 1039.37,1228.35
  pour cut-out: 996.06,1665.35 996.06,1846.46 1000,1850.39
  pour cut-out: 531.5,1385.83 531.5,1366.14 535.43,1362.2
  pour cut-out: 531.5,1385.83

## Silkscreen, mask and mechanical layers (free items; w line width, h text height)
Bottom Overlay:
  drawing of 4 lines, arcs and shapes, not listed
  text "Temperature / Controller" at 1925.25,216.54 h157.48
  text "Rev: 1" at 1925.25,147.64 h78.74
Mechanical 1:
  the board outline again, w1

## Text inside footprints (layer, text, board x,y; h text height)
J2: Top Overlay "1" at 838.58,1311.02 h50; Top Overlay "6" at 232.28,1279.53 h50 r180